# Altium PCB Fastino-DIOT.PCBDOC (part 5 of 22) (continued)
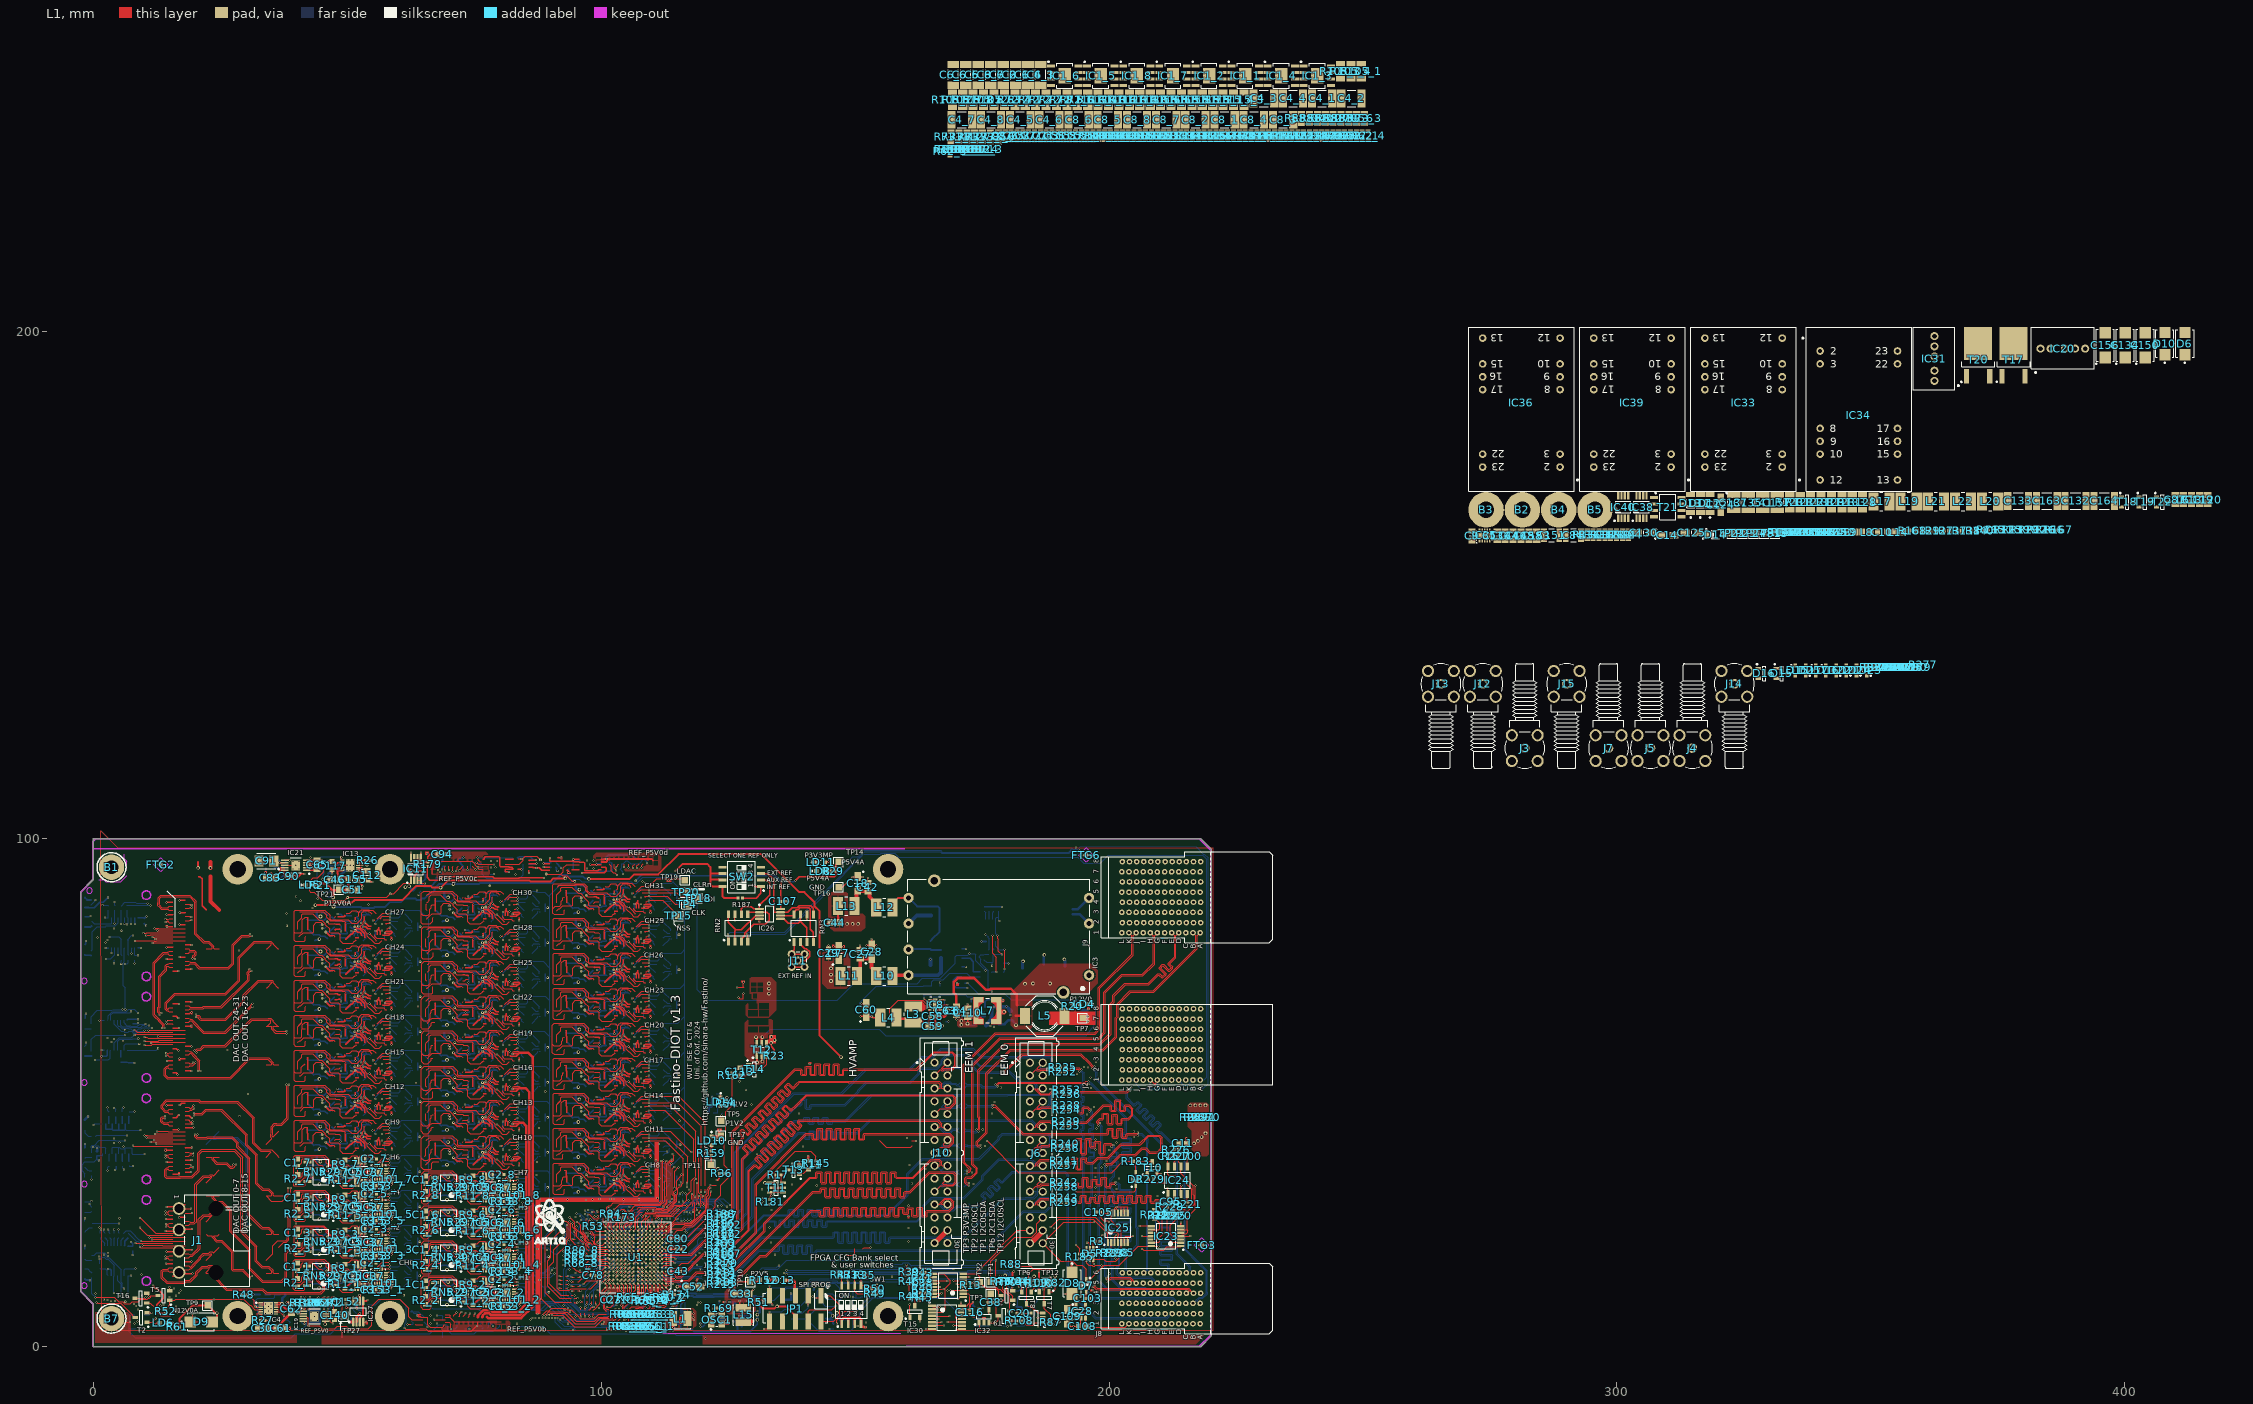
[diagram p0: L1 view]
## Nets (pads, with @x,y where several pads share a name; then routed paths per layer and width w, separated by ;. In a path a pad name is that pad's centre, name@x,y a point inside that pad or via, vN(x,y) a via of type N, cw(c..) or ccw(c..) an arc to the next point about the centre after c; other vN are vias at no path point) (continued)
DAC_CLK3: C66_3.1 IC37_3.8 R65_3.2 | length 82
  L1 w0.127: IC37_3.8@57.586,21.273 57.631,21.318 58.192,21.318 58.274,21.4 v1(58.348,21.4) ; IC37_3.8@57.659,21.285 IC37_3.8@57.692,21.252 ; v1(110.566,5.512) 110.579,5.524 110.579,5.958 110.568,5.969 R65_3.2@110.566,5.969
  L6 w0.127: v1@58.344,21.412 58.344,21.361 59.995,19.71 59.995,12.222 57.563,9.79 57.493,9.79 55.601,7.898 55.601,4.623 57.76,2.464 110.109,2.464 110.53,2.885 110.53,4.117 110.566,4.153 v1(110.566,5.512)
  L5 w0.127: v1@58.297,21.374 v1@58.373,21.374
  L8 w0.127: 58.906,20.841 v1(58.348,21.4) 58.353,21.4 59.583,20.17 C66_3.1@59.66,20.17
DAC_CLK4: C66_4.1 IC37_4.8 R65_4.2 | length 34.5
  L1 w0.127: IC37_4.8@82.737,18.2 82.782,18.245 v1@83.343,18.245 ; IC37_4.8@82.81,18.212 IC37_4.8@82.843,18.179 ; R65_4.2@110.025,8.65 110.087,8.589 110.087,8.4 110.165,8.322 v1(110.165,8.248)
  L5 w0.127: v1(90.272,15.113) 93.063,15.113 93.49,15.54 93.937,15.54 94.584,14.894 95.158,14.894 97.692,12.36 97.692,11.941 100.479,9.153 102.572,9.153 102.8,8.925 104,8.925 104.428,8.497 105.62,8.497 106.414,9.291 109.122,9.291 v1(110.165,8.248)
  L8 w0.127: v1(83.499,18.327) 83.504,18.327 84.734,17.097 C66_4.1@84.811,17.097 ; C66_4.1@84.887,17.094 84.887,16.895 85.513,16.268 85.534,16.268 85.726,16.077 87.124,16.077 87.249,15.951 ; 87.254,15.921 87.254,14.698 87.529,14.422 88.848,14.422 89.538,15.113 v1(90.272,15.113)
DAC_CLK5: C66_5.1 IC37_5.8 R65_5.2 | length 74.7
  L1 w0.127: IC37_5.8@57.586,28.159 57.631,28.204 v1@58.192,28.204 ; IC37_5.8@57.659,28.171 IC37_5.8@57.692,28.138 ; R65_5.2@106.426,3.581 106.44,3.581 106.451,3.57 v1(106.451,3.099)
  L3 w0.127: v1(89.662,5.639) 90.357,4.944 95.831,4.944 96.13,5.242 101.546,5.242 102.592,4.196 105.354,4.196 v1(106.451,3.099)
  L5 w0.127: v1@58.297,28.261 v1@58.344,28.261 ; v1@58.344,28.194 58.384,28.234 58.474,28.234 58.514,28.194 58.522,28.194 59.969,26.746 59.969,17.399 62.89,14.478 62.89,4.902 63.548,4.245 66.088,4.245 66.243,4.089 72.39,4.089 73,4.699 79.146,4.699 79.74,4.105 88.142,4.105 89.662,5.625 v1(89.662,5.639)
  L8 w0.127: v1(58.348,28.286) 58.353,28.286 59.583,27.057 C66_5.1@59.66,27.057
DAC_CLK6: C66_6.1 IC37_6.8 R65_6.2 | length 39.2
  L1 w0.127: IC37_6.8@82.737,25.087 82.782,25.132 v1@83.343,25.132 ; IC37_6.8@82.81,25.099 IC37_6.8@82.843,25.066 ; v1(106.1,8.425) 106.425,8.75 R65_6.2@106.425,9.4
  L6 w0.127: v1(89.575,20.475) 89.575,20 91.125,18.45 91.125,17.223 92.15,16.198 92.15,15.9 92.499,15.551 92.752,15.551 93.544,14.759 94.066,14.759 94.984,13.841 94.984,13.277 96.301,11.96 96.301,10.741 96.053,10.493 96.053,9.274 96.344,8.983 96.344,7.625 96.968,7.001 104.101,7.001 105.525,8.425 v1(106.1,8.425)
  L5 w0.127: v1@83.448,25.188 83.524,25.188 v1(83.499,25.214) v1@83.473,25.214
  L8 w0.127: v1(83.499,25.214) 83.504,25.214 C66_6.1@84.734,23.984 ; C66_6.1@84.785,23.908 84.785,23.883 85.714,22.954 87.104,22.954 ; 87.129,22.954 87.254,22.829 87.254,21.581 88.101,20.735 88.862,20.735 89.17,21.043 89.17,21.092 89.478,21.4 89.802,21.4 90.031,21.172 90.031,20.848 89.802,20.619 89.793,20.619 89.649,20.475 v1(89.575,20.475)
DAC_CLK7: C66_7.1 IC37_7.8 R65_7.2 | length 80.1
  L1 w0.127: IC37_7.8@57.586,35.046 57.631,35.091 58.192,35.091 58.274,35.173 v1(58.348,35.173) ; IC37_7.8@57.659,35.058 IC37_7.8@57.692,35.025 ; v1(106.731,5.512) 106.769,5.55 106.769,6.032 R65_7.2@106.782,6.045
  L2 w0.127: v1(86.499,5.653) 86.492,5.646 86.492,5.201 86.436,5.145 86.436,3.734 87.325,2.845 94.412,2.845 95.25,2.007 106.604,2.007 106.874,2.277 106.874,3.286 106.943,3.356 106.943,4.912 106.734,5.121 106.734,5.509 v1(106.731,5.512)
  L6 w0.127: v1@58.395,35.128 58.395,35.126 59.233,34.288 59.233,33.604 61.824,31.013 61.824,22.479 65.202,19.101 65.202,15.443 66.675,13.97 70.637,13.97 72.161,12.446 72.161,9.728 74.27,7.62 75.743,7.62 76.378,6.985 78.865,6.985 79.576,6.274 85.867,6.274 86.487,5.653 v1(86.499,5.653)
  L5 w0.127: v1@58.297,35.148 v1@58.373,35.148
  L8 w0.127: 58.906,34.614 v1(58.348,35.173) 58.353,35.173 59.583,33.943 C66_7.1@59.66,33.943
DAC_CLK8: C66_8.1 IC37_8.8 R65_8.2 | length 23.4
  L1 w0.127: IC37_8.8@82.737,31.973 82.782,32.018 v1@83.343,32.018 ; IC37_8.8@82.81,31.985 IC37_8.8@82.843,31.952 ; v1(95.181,17.374) 95.206,17.348 95.783,17.348 R65_8.2@95.809,17.323
  L6 w0.127: v1@83.515,32.08 83.515,32.055 86.03,29.54 86.03,27.965 86.055,27.94 86.055,25.695 90.825,20.925 91.025,20.925 92.999,18.951 92.999,18.717 94.307,17.408 95.146,17.408 v1(95.181,17.374)
  L5 w0.127: v1@83.448,32.075 83.524,32.075 v1(83.499,32.1) v1@83.473,32.1
  L8 w0.127: v1(83.499,32.1) 83.504,32.1 84.734,30.871 C66_8.1@84.811,30.871
DAC_CLK32: TP4.1 | length 76
  L1 w0.127: 108.612,88.592 108.657,88.637 v1@109.218,88.637 ; 108.685,88.604 108.718,88.571 ; v1@109.296,88.798 109.375,88.719 112.982,88.719 114.554,87.147 TP4.1@116.84,87.147 ; 118.463,29.108 118.473,29.118 118.473,29.519 v1(118.481,29.526)
  L6 w0.127: v1@109.474,88.671 111.1,88.671 112.573,87.198 112.573,85.014 117.297,80.289 117.297,43.18 119.71,40.767 119.71,31.91 118.65,30.85 118.65,29.696 v1(118.481,29.526)
  L8 w0.127: v1(109.374,88.719) 109.379,88.719 110.609,87.49 110.686,87.49
DAC_LDACn1: C89_1.1 IC37_1.11 R80_1.2 | length 67.8
  L1 w0.127: IC37_1.11@55.829,15.522 56.893,16.586 v1(58.293,16.586) ; v1(108.458,3.175) 108.458,3.581
  L5 w0.127: v1@58.344,16.637 58.344,16.535 60.985,13.894 60.985,10.897 60.722,10.633 60.722,9.947 61.265,9.405 61.265,4.185 60.891,3.811 60.891,3.488 61.671,2.708 88.129,2.708 89.048,3.628 94.211,3.628 94.241,3.658 95.021,3.658 95.088,3.591 100.182,3.591 100.316,3.725 107.908,3.725 v1(108.458,3.175)
  L8 w0.127: v1(58.293,16.586) 59.417,16.586 C89_1.1@59.453,16.55
DAC_LDACn2: C89_2.1 IC37_2.11 R80_2.2 | length 38.5
  L1 w0.127: IC37_2.11@81.035,12.282 82.099,13.345 v1(83.499,13.345) ; v1(111.354,7.722) 112.472,7.722 113.475,8.725 R80_2.2@113.475,9.45
  L5 w0.127: v1@83.549,13.295 v1@83.549,13.32 ; v1@90.907,14.427 90.932,14.402 91.764,14.402 92.604,13.561 92.604,13.422 93.393,12.633 93.748,12.633 94.079,12.303 94.841,12.303 95.647,11.497 96.371,11.497 97.698,10.169 97.698,9.903 98.905,8.696 99.325,8.696 100.821,7.2 101.887,7.2 102.475,7.788 103.21,7.788 103.229,7.807 103.654,7.807 103.8,7.661 108.343,7.661 108.573,7.89 109.113,7.89 109.282,7.722 v1(111.354,7.722)
  L8 w0.127: v1(83.499,13.345) 84.622,13.345 C89_2.1@84.658,13.31 ; C89_2.1@84.785,13.258 85.705,14.178 87.044,14.178 87.613,13.609 90.037,13.609 v1(90.83,14.402)
DAC_LDACn3: C89_3.1 IC37_3.11 R80_3.2 | length 69.3
  L1 w0.127: IC37_3.11@55.884,22.241 56.948,23.305 v1(58.348,23.305) ; v1(108.382,5.791) 108.434,5.843 108.688,5.843 R80_3.2@108.941,6.096
  L6 w0.127: v1@58.344,23.317 58.344,23.309 v1(58.348,23.305) 61.54,20.112 ; 61.544,20.117 61.951,19.71 61.951,9.728 64.872,6.807 67.869,6.807 69.79,4.886 93.666,4.886 94.277,4.275 99.43,4.275 101.083,5.928 107.604,5.928 107.74,5.791 108.338,5.791 v1@108.36,5.769
  L8 w0.127: v1(58.348,23.305) 59.471,23.305 C89_3.1@59.507,23.269
DAC_LDACn4: C89_4.1 IC37_4.11 R80_4.2 | length 35.4
  L1 w0.127: IC37_4.11@81.035,19.168 82.099,20.232 v1(83.499,20.232)
  L5 w0.127: v1@83.549,20.181 v1@83.549,20.207 ; v1(90.907,20.371) 91.56,20.371 93.207,18.724 93.207,17.62 94.802,16.025 95.221,16.025 95.367,16.171 95.786,16.171 96.739,15.218 96.739,15.104 96.968,14.875 97.082,14.875 98.4,13.557 98.4,12.782 99,12.183 99.492,12.183 101.025,10.65 v1(101.025,10.25)
  L8 w0.127: v1(83.499,20.232) 84.622,20.232 C89_4.1@84.658,20.196 ; C89_4.1@84.785,20.145 85.705,21.064 87.044,21.064 88.024,20.085 90.62,20.085 v1(90.907,20.371) ; v1(101.025,10.25) 101.065,10.29 101.415,10.29 101.444,10.319 101.444,10.395 101.704,10.655 101.78,10.655 101.793,10.668 105.038,10.668 105.051,10.656 108.296,10.656 108.675,11.034 R80_4.2@108.675,11.4
DAC_LDACn5: C89_5.1 IC37_5.11 R80_5.2 | length 72.6
  L1 w0.127: IC37_5.11@55.884,29.128 56.948,30.191 v1(58.348,30.191) ; R80_5.2@104.673,3.556 104.673,3.401 104.902,3.173 v1(104.902,3.099)
  L3 w0.127: v1(88.392,5.613) 91.147,2.858 104.59,2.858 104.831,3.099 v1(104.902,3.099)
  L5 w0.127: v1@58.395,30.175 58.395,30.15 61.544,27 61.544,18.491 64.77,15.265 64.77,7.163 66.227,5.706 70.751,5.706 70.763,5.717 73.048,5.717 73.05,5.715 76.835,5.715 77.174,6.054 87.27,6.054 87.288,6.036 87.612,6.036 87.63,6.054 87.933,6.054 88.373,5.613 v1(88.392,5.613)
  L8 w0.127: v1(58.348,30.191) 59.471,30.191 C89_5.1@59.507,30.156
DAC_LDACn6: C89_6.1 IC37_6.11 R80_6.2 | length 49.4
  L1 w0.127: IC37_6.11@81.035,26.055 82.099,27.119 v1(83.499,27.119) ; v1(88.925,26) 88.31,25.384 88.31,9.34 v1(89.9,7.75)
  L5 w0.127: v1@83.549,27.068 v1@83.549,27.093
  L8 w0.127: v1(83.499,27.119) 84.622,27.119 C89_6.1@84.658,27.083 ; C89_6.1@84.785,27.032 85.705,27.951 87.044,27.951 88.925,26.07 v1(88.925,26) ; v1(89.9,7.75) 91.545,6.105 92.43,6.105 93.059,5.477 100.139,5.477 100.59,5.928 107.605,5.928 108.177,6.5 R80_6.2@109.325,6.5
DAC_LDACn7: C89_7.1 IC37_7.11 R80_7.2 | length 74.7
  L1 w0.127: IC37_7.11@55.884,36.014 56.948,37.078 v1(58.348,37.078) ; v1(105.004,5.512) 105.016,5.524 105.016,6.134 R80_7.2@105.029,6.147
  L2 w0.127: v1(87.732,5.613) 88.459,4.886 95.839,4.886 96.225,4.5 96.75,4.5 97.2,4.05 98.825,4.05 100.116,2.759 103.743,2.759 105.004,4.02 v1(105.004,5.512)
  L6 w0.127: v1(58.348,37.078) 65.913,29.512 65.913,27.051 67.348,25.616 67.348,22.06 68.555,20.853 70.383,20.853 72.111,19.126 72.111,16.027 75.564,12.574 75.564,9.704 76.759,8.509 80.316,8.509 81.129,7.696 83.725,7.696 83.759,7.662 84.083,7.662 84.117,7.696 85.649,7.696 87.06,6.285 87.06,6.264 87.288,6.036 87.309,6.036 v1(87.732,5.613)
  L8 w0.127: v1(58.348,37.078) 59.471,37.078 C89_7.1@59.507,37.042
DAC_LDACn8: C89_8.1 IC37_8.11 R80_8.2 | length 26.5
  L1 w0.127: IC37_8.11@81.035,32.941 82.099,34.005 v1(83.499,34.005) ; v1@95.052,19.101 v1(95.027,19.075) 95.1,19.075 95.201,18.975 R80_8.2@95.85,18.975 ; R80_8.2@95.8,18.95 R80_8.2@95.826,18.975
  L6 w0.127: v1(83.499,34.005) 84.638,34.005 86.563,32.08 86.563,30.861 87.071,30.353 87.071,29.547 87.535,29.084 87.535,27.943 87.939,27.539 87.939,26.111 89.125,24.925 89.125,23.923 89.764,23.283 89.97,23.283 91.278,21.975 92.048,21.975 92.438,21.585 93.295,21.585 94.265,20.614 94.265,19.836 v1(95.027,19.075)
  L8 w0.127: v1(83.499,34.005) 84.622,34.005 C89_8.1@84.658,33.969
DAC_LDACn32: TP19.1 | length 83.1
  L1 w0.127: 106.91,89.56 107.974,90.624 v1(109.374,90.624) 110.885,92.135 116.17,92.135 TP19.1@116.459,91.846 ; 119.964,29.224 120.029,29.289 120.029,29.574 v1(120.081,29.626)
  L6 w0.127: v1(109.374,90.624) 116.995,90.624 118.669,88.951 118.669,50.546 118.669,45.263 121.056,42.875 121.056,31.85 120.081,30.875 v1(120.081,29.626)
  L5 w0.127: v1@109.424,90.574 v1@109.424,90.599
  L8 w0.127: v1(109.374,90.624) 110.497,90.624 110.533,90.588
DAC_MOSI1: C68_1.1 IC37_1.9 R69_1.2 | length 74.3
  L1 w0.127: IC37_1.9@56.972,15.342 v1(58.293,15.342) ; v1(109.271,3.15) 109.283,3.162 109.283,3.651 R69_1.2@109.271,3.663
  L5 w0.127: v1@58.318,15.316 v1@58.318,15.367 ; v1@58.369,15.342 58.369,15.265 60.147,13.487 60.147,11.328 58.776,9.957 56.693,9.957 55.778,9.042 55.778,3.2 56.871,2.108 109.068,2.108 109.271,2.311 v1(109.271,3.15)
  L8 w0.127: v1(58.293,15.342) 58.583,15.052 C68_1.1@59.808,15.052
DAC_MOSI2: C68_2.1 IC37_2.9 R69_2.2 | length 41.7
  L1 w0.127: IC37_2.9@82.178,12.101 v1(83.499,12.101)
  L5 w0.127: v1@83.524,12.075 v1@83.524,12.126 ; v1(93.497,7.62) 93.463,7.585 93.463,6.537 94.777,5.223 100.378,5.223 100.83,5.675 103.525,5.675 104.286,6.436 111.062,6.436 112.171,7.544 112.171,8.762 111.85,9.083 v1(111.85,10.125)
  L8 w0.127: v1(83.499,12.101) 83.788,11.811 C68_2.1@85.014,11.811 ; C68_2.1@84.785,11.684 85.197,11.272 85.197,10.968 85.72,10.445 85.72,8.006 85.831,7.895 86.939,7.895 87.947,8.902 92.31,8.902 92.923,8.29 92.923,8.195 v1(93.497,7.62) ; R69_2.2@111.175,11.45 111.45,11.45 111.85,11.05 v1(111.85,10.125)
DAC_MOSI3: C68_3.1 IC37_3.9 R69_3.2 | length 72.4
  L1 w0.127: IC37_3.9@57.027,22.06 v1(58.348,22.06) ; v1(109.728,5.588) 109.728,6.02 R69_3.2@109.753,6.045
  L6 w0.127: v1@58.344,22.047 58.357,22.034 58.662,22.034 61.062,19.634 61.062,12.192 60.198,11.328 60.198,9.881 61.9,8.179 61.9,5.994 64.872,3.023 76.606,3.023 77.114,3.531 94.114,3.531 94.308,3.725 108.62,3.725 109.661,4.766 109.661,5.032 109.728,5.099 v1(109.728,5.588)
  L8 w0.127: v1(58.348,22.06) 58.637,21.77 C68_3.1@59.863,21.77
DAC_MOSI4: C68_4.1 IC37_4.9 R69_4.2 | length 35.7
  L1 w0.127: IC37_4.9@82.178,18.987 v1(83.499,18.987)
  L5 w0.127: v1@83.524,18.962 v1@83.524,19.013 ; v1(90.805,15.519) 92.576,15.519 93.007,15.95 94.15,15.95 94.71,15.39 95.638,15.39 ; 95.638,15.391 95.962,15.391 96.3,15.052 96.3,14.4 99.125,11.575 99.366,11.575 100.543,10.398 100.543,10.18 101.061,9.661 103.013,9.661 103.439,9.236 104.904,9.236 105.118,9.45 v1(105.65,9.45)
  L8 w0.127: v1(83.499,18.987) 83.788,18.698 C68_4.1@85.014,18.698 ; C68_4.1@84.785,18.571 84.785,18.546 85.49,17.841 85.49,16.651 85.618,16.522 85.639,16.522 85.831,16.331 87.229,16.331 87.508,16.051 87.508,14.803 87.635,14.676 88.743,14.676 89.586,15.519 v1(90.805,15.519) ; v1@105.609,9.45 v1(105.65,9.45) 106.075,9.875 108.3,9.875 109.2,10.775 R69_4.2@109.2,11.475
DAC_MOSI5: C68_5.1 IC37_5.9 R69_5.2 | length 72
  L1 w0.127: IC37_5.9@57.027,28.947 v1(58.348,28.947) ; R69_5.2@105.588,3.531 105.588,3.15 v1(105.639,3.099)
  L3 w0.127: v1(89.027,5.613) 90.535,4.105 98.984,4.105 99.178,3.912 99.457,3.591 100.907,3.591 100.956,3.639 101.279,3.639 101.328,3.591 101.796,3.591 101.845,3.639 102.168,3.639 102.217,3.591 102.66,3.591 102.708,3.639 103.032,3.639 103.08,3.591 103.422,3.591 103.47,3.639 103.794,3.639 103.842,3.591 105.147,3.591 v1(105.639,3.099)
  L5 w0.127: v1(58.348,28.947) 58.683,28.947 60.808,26.822 60.808,17.983 63.703,15.088 63.703,7.061 65.827,4.937 66.901,4.937 66.92,4.918 72.859,4.918 72.894,4.953 79.564,4.953 79.569,4.948 86.238,4.948 86.438,5.148 88.561,5.148 v1(89.027,5.613)
  L8 w0.127: v1(58.348,28.947) 58.637,28.657 C68_5.1@59.863,28.657
DAC_MOSI6: C68_6.1 IC37_6.9 R69_6.2 | length 22.8
  L1 w0.127: IC37_6.9@82.178,25.874 v1(83.499,25.874)
  L5 w0.127: v1@83.524,25.849 v1@83.524,25.899 ; v1(89.85,23.75) 89.894,23.706 89.894,23.36 90.752,22.502 92.626,22.502 93.527,21.6 v1(96.075,21.6)
  L8 w0.127: v1(83.499,25.874) 83.788,25.584 C68_6.1@85.014,25.584 ; C68_6.1@84.785,25.457 84.785,25.432 85.72,24.498 85.72,23.329 85.831,23.217 87.071,23.217 87.08,23.208 87.209,23.208 ; 87.234,23.208 87.508,22.935 87.508,21.686 87.635,21.56 88.743,21.56 89.773,22.591 v1@89.773,23.647 ; v1(96.075,21.6) 96.075,21.526 95.96,21.411 95.96,20.894 96.229,20.625 96.53,20.625 97.418,19.737 97.638,19.737 R69_6.2@97.7,19.675
DAC_MOSI7: C68_7.1 IC37_7.9 R69_7.2 | length 74.7
  L1 w0.127: IC37_7.9@57.027,35.833 v1(58.348,35.833) ; v1(105.918,5.537) R69_7.2@105.918,6.045
  L2 w0.127: v1@87.071,5.613 87.097,5.588 87.097,5.156 88.24,4.013 95.262,4.013 96.77,2.505 105.597,2.505 106.029,2.937 106.029,4.145 105.918,4.256 v1(105.918,5.537)
  L6 w0.127: v1(58.348,35.833) 63.703,30.478 63.703,26.187 66.04,23.851 66.04,20.041 69.85,16.231 70.104,16.231 72.72,13.614 72.72,13.056 74.248,11.528 74.248,8.835 74.651,8.433 75.971,8.433 76.683,7.722 79.578,7.722 80.315,6.985 85.725,6.985 v1(87.097,5.613)
  L8 w0.127: v1(58.348,35.833) 58.637,35.543 C68_7.1@59.863,35.543
DAC_MOSI8: C68_8.1 IC37_8.9 R69_8.2 | length 23.5
  L1 w0.127: IC37_8.9@82.178,32.761 v1(83.499,32.761) ; v1(95.109,18.212) 95.122,18.225 R69_8.2@95.822,18.225
  L6 w0.127: v1@83.541,32.719 86.875,29.384 86.875,25.55 93.74,18.685 93.945,18.685 94.174,18.456 94.802,18.456 95.046,18.212 v1(95.109,18.212)
  L8 w0.127: v1(83.499,32.761) 83.788,32.471 C68_8.1@85.014,32.471
DAC_MOSI32: TP18.1 | length 80.1
  L1 w0.127: 108.053,89.38 v1(109.374,89.38) ; v1@109.398,89.433 109.451,89.38 114.902,89.38 115.667,88.616 118.699,88.616 TP18.1@118.999,88.316 ; 119.202,29.123 119.242,29.162 119.242,29.587 v1(119.281,29.626)
  L6 w0.127: v1@109.446,89.38 112.804,89.38 117.983,84.201 117.983,44.145 120.193,41.935 120.193,31.718 119.281,30.806 v1(119.281,29.626)
  L8 w0.127: v1(109.374,89.38) 109.663,89.09 110.889,89.09
DAC_NSS1: C35_1.1 IC37_1.6 R66_1.2 | length 82.3
  L1 w0.127: IC37_1.6@57.683,13.589 57.924,13.589 v1@58.101,13.765 ; v1(110.921,3.215) 110.959,3.253 110.959,3.582 110.996,3.618 R66_1.2@110.998,3.618
  L5 w0.127: v1@58.268,13.894 58.293,13.868 v1(58.293,13.818) 58.293,12.167 57.734,11.608 55.22,11.608 52.121,8.509 51.41,8.509 50.724,7.823 50.724,6.096 51.562,5.258 51.562,2.591 53.442,0.711 110.439,0.711 110.998,1.27 110.998,2.761 110.934,2.824 110.934,3.201 v1(110.921,3.215)
  L8 w0.127: v1(58.293,13.818) 58.293,13.417 59.168,12.542 59.168,12.262 59.401,12.029 C35_1.1@59.427,12.029
DAC_NSS2: C35_2.1 IC37_2.6 R66_2.2 | length 38
  L1 w0.127: IC37_2.6@82.889,10.348 83.13,10.348 83.306,10.525 83.446,10.525 v1(83.499,10.577)
  L5 w0.127: v1@83.499,10.551 v1@83.524,10.577 ; v1(93.853,6.858) 94.36,6.351 95.996,6.351 96.005,6.359 100.775,6.359 101.105,6.69 110.874,6.69 111.744,7.56 111.744,7.883 109.727,9.9 v1(109.05,9.9)
  L8 w0.127: v1(83.499,10.577) 83.499,10.177 84.374,9.302 84.374,9.022 84.607,8.788 C35_2.1@84.633,8.788 ; C35_2.1@85.014,8.433 85.197,8.25 85.197,7.811 85.621,7.387 88.215,7.387 89.223,8.394 90.931,8.394 92.527,6.798 92.965,6.798 93.025,6.858 v1(93.853,6.858) ; v1(109.05,9.9) 109.925,10.775 R66_2.2@109.925,11.475
DAC_NSS3: C35_3.1 IC37_3.6 R66_3.2 | length 84.3
  L1 w0.127: IC37_3.6@57.738,20.308 57.979,20.308 58.155,20.484 58.295,20.484 v1(58.348,20.536) ; R66_3.2@111.328,6.075 111.328,6.041 111.39,5.98 111.653,5.98 v1(111.705,5.928)
  L6 w0.127: v1(58.348,20.536) 59.059,19.824 59.059,12.908 57.213,11.062 55.639,11.062 54.788,10.211 54.788,3.589 56.446,1.93 110.541,1.93 110.893,2.283 110.893,2.302 111.271,2.68 111.29,2.68 111.609,2.999 111.609,3.083 111.605,3.088 111.605,3.412 111.609,3.417 111.609,4.363 111.731,4.484 111.731,5.902 v1(111.705,5.928)
  L8 w0.127: v1(58.348,20.536) 58.348,20.136 59.223,19.261 59.223,18.981 59.456,18.748 C35_3.1@59.482,18.748
DAC_NSS4: C35_4.1 IC37_4.6 R66_4.2 | length 32.2
  L1 w0.127: IC37_4.6@82.889,17.235 83.13,17.235 83.306,17.411 83.446,17.411 v1(83.499,17.463) ; R66_4.2@109.23,8.889 R66_4.2@109.291,8.828 ; v1(109.28,8.275) R66_4.2@109.28,8.814
  L5 w0.127: v1@83.499,17.438 v1@83.524,17.463 ; v1(90.148,14.586) 90.2,14.638 90.515,14.638 90.669,14.792 93.558,14.792 94.269,14.081 94.345,14.081 95.626,12.8 95.626,12.635 96.859,11.402 97.303,11.402 98.536,10.169 98.536,9.928 99.311,9.153 99.725,9.153 100.528,8.35 102.178,8.35 102.397,8.569 103.997,8.569 104.532,8.035 106.262,8.035 106.822,8.595 107.402,8.595 107.487,8.51 108.067,8.51 108.148,8.591 108.965,8.591 v1(109.28,8.275)
  L8 w0.127: v1(83.499,17.463) 84.12,16.842 84.12,16.442 85.065,15.497 C35_4.1@86.131,15.497 ; C35_4.1@86.817,15.265 87,15.082 87,14.592 87.424,14.168 89.73,14.168 v1(90.148,14.586)
DAC_NSS5: C35_5.1 IC37_5.6 R66_5.2 | length 76.7
  L1 w0.127: IC37_5.6@57.738,27.194 57.979,27.194 58.155,27.371 58.295,27.371 v1(58.348,27.423) ; v1(107.264,3.124) 107.264,3.198 107.386,3.319 R66_5.2@107.386,3.693
  L3 w0.127: v1(90.297,5.613) 91.043,6.359 102.08,6.359 103.978,4.461 105.927,4.461 v1(107.264,3.124)
  L5 w0.127: v1@58.344,27.381 58.348,27.377 58.348,26.336 59.182,25.502 59.182,16.789 62.027,13.945 62.027,4.74 63.414,3.353 69.825,3.353 70.063,3.115 72.32,3.115 73.076,3.87 74.362,3.87 74.717,3.515 88.198,3.515 v1(90.297,5.613)
  L8 w0.127: v1(58.348,27.423) 58.348,27.023 59.223,26.148 59.223,25.868 59.456,25.634 C35_5.1@59.482,25.634
DAC_NSS6: C35_6.1 IC37_6.6 R66_6.2 | length 21
  L1 w0.127: IC37_6.6@82.889,24.121 83.13,24.121 83.306,24.298 83.446,24.298 v1(83.499,24.35)
  L6 w0.127: v1(89.64,21.01) 90.075,20.575 90.075,20.075 91.625,18.525 91.625,17.421 92.607,16.439 93.447,16.439 94.886,15 v1(95.8,15)
  L5 w0.127: v1@83.499,24.325 v1@83.524,24.35
  L8 w0.127: v1(83.499,24.35) 83.499,23.311 84.268,22.541 86.177,22.541 86.538,22.18 C35_6.1@86.538,22.149 ; C35_6.1@86.919,21.971 87,21.89 87,21.476 87.996,20.481 88.967,20.481 89.352,20.866 89.422,20.866 89.566,21.01 v1(89.64,21.01) ; v1(95.8,15) 95.874,15 95.999,14.875 97.625,14.875 97.875,15.125 R66_6.2@97.925,15.125
DAC_NSS7: C35_7.1 IC37_7.6 R66_7.2 | length 82.2
  L1 w0.127: IC37_7.6@57.738,34.081 57.979,34.081 58.155,34.257 58.295,34.257 v1(58.348,34.309) ; v1(107.518,5.461) 107.57,5.513 107.57,5.818 R66_7.2@107.696,5.944
  L2 w0.127: v1(86.077,5.338) 86.044,5.306 86.044,4.333 85.801,4.09 85.801,3.508 86.023,3.286 86.023,2.937 87.005,1.956 93.777,1.956 94.183,1.549 107.714,1.549 107.788,1.624 107.788,5.179 107.518,5.449 v1(107.518,5.461)
  L6 w0.127: v1(58.348,34.309) 58.395,34.262 58.395,33.376 60.401,31.369 60.401,22.657 63.17,19.888 63.17,12.319 67.869,7.62 68.707,7.62 70.714,5.613 85.462,5.613 85.525,5.55 85.59,5.55 85.75,5.39 86.024,5.39 v1(86.077,5.338)
  L8 w0.127: v1(58.348,34.309) 58.348,33.909 59.223,33.034 59.223,32.754 59.456,32.521 C35_7.1@59.482,32.521
DAC_NSS8: C35_8.1 IC37_8.6 R66_8.2 | length 24.5
  L1 w0.127: IC37_8.6@82.889,31.008 83.13,31.008 v1@83.306,31.184 ; v1(95.047,16.415) 95.05,16.412 95.805,16.412 R66_8.2@95.809,16.408
  L6 w0.127: v1(83.499,31.237) 83.499,30.878 85.166,29.21 85.166,25.284 87.7,22.75 88.452,22.75 90.516,20.686 90.516,20.209 92.1,18.625 92.1,17.787 92.375,17.512 92.733,17.512 93.83,16.415 v1(95.047,16.415)
  L8 w0.127: v1(83.499,31.237) 83.499,30.837 84.374,29.961 84.374,29.681 84.607,29.448 C35_8.1@84.633,29.448
DAC_NSS32: TP15.1 | length 72.8
  L1 w0.127: 108.764,87.627 109.005,87.627 v1@109.181,87.804 ; v1(109.374,87.856) 112.144,87.856 114.884,85.115 TP15.1@114.91,85.115 ; 117.78,29.048 117.78,29.877 117.906,30.003 v1@117.906,30.043
  L6 w0.127: v1@109.396,87.833 111.15,86.079 111.15,83.693 116.586,78.257 116.586,42.443 118.86,40.17 118.86,37.79 119.215,37.434 119.215,32.013 118.125,30.923 118.125,30.296 117.978,30.149 117.978,30.078 v1@117.98,30.076
  L8 w0.127: v1(109.374,87.856) 109.374,87.456 110.249,86.581 110.249,86.301 110.482,86.067 110.508,86.067
  other v1: 117.889,30.06
DAC_OUT_N1: R67_1.2 R73_1.1 | length 47.9
  L1 w0.152: 15.6,15.5 14.928,15.5 14.776,15.348 14.776,15.342 14.687,15.252 13.742,15.252 13.386,14.896 13.386,13.488 14.428,12.446 17.971,12.446 18.259,12.734 19.135,12.734 20.447,14.046 20.447,14.478 21.514,15.545 22.678,15.545 22.856,15.723 23.2,15.723 23.289,15.633 23.289,15.507 23.2,15.418 22.982,15.418 22.23,14.666 22.23,14.466 22.462,14.466 23.258,14.466 23.348,14.377 23.348,13.932 26.157,11.122 33.226,11.122 33.781,10.567 33.96,10.389 44.83,10.389 45.517,11.076 45.517,11.879 44.298,13.098 44.298,13.648 44.479,13.83 44.699,13.83 44.864,13.665 v2(44.958,13.665)
  L8 w0.152: v2(44.958,13.665) v2@45.009,13.665 ; v2@45.06,13.665 45.493,13.665 R67_1.2@45.788,13.96
DAC_OUT_N2: R67_2.2 R73_2.1 | length 70.6
  L1 w0.152: 18.11,15.9 18.782,15.9 18.934,15.748 18.934,15.742 19.023,15.652 19.158,15.652 19.789,16.283 19.789,16.36 20.847,17.418 20.847,17.579 21.657,18.39 22.751,18.39 22.987,18.626 23.366,18.626 23.545,18.447 23.671,18.447 24.77,19.546
  L2 w0.152: 24.77,19.546 23.671,18.447 23.671,18.321 23.76,18.232 24.075,18.232 24.207,18.364 25.476,18.364 25.908,17.932 27.089,16.751 27.089,13.399 30.759,9.728 38.964,9.728 40.132,10.897 48.109,10.897 48.881,10.125 51.081,10.125 52.901,8.305 55.194,8.305 57.164,10.275 58.508,10.275 59.224,10.991 68.358,10.991 70.205,9.144 71.399,9.144 71.489,9.233 71.489,9.969 70.868,10.59 70.423,10.59 70.258,10.424 v2(70.164,10.424)
  L8 w0.152: v2(70.164,10.424) v2@70.214,10.424 ; v2@70.214,10.374 70.265,10.424 70.699,10.424 R67_2.2@70.993,10.719
DAC_OUT_N3: R67_3.2 R73_3.1 | length 57.7
  L1 w0.152: v1(14.199,17.763) 14.266,17.763 14.377,17.652 14.687,17.652 14.776,17.742 14.776,17.748 14.928,17.9 15.6,17.9 ; 22.23,22.086 22.479,21.837 23.258,21.837 23.348,21.748 23.348,21.496 24.175,20.668 25.137,20.668 27.259,18.546 27.259,15.114 27.438,14.935 29.332,14.935 v1(30.81,13.457)
  L2 w0.152: v1(14.199,17.763) 14.266,17.763 14.377,17.652 16.944,17.652 20.196,20.904 22.573,20.904 23.348,21.678 23.348,21.997 23.258,22.086 22.23,22.086 ; v2(45.013,20.384) v2@45.107,20.384
  L5 w0.152: v1(30.81,13.457) 30.827,13.44 31.015,13.44 32.695,11.76 39.318,11.76 40.69,13.132 43.917,13.132 45.009,12.04 46.862,12.04 47.552,12.73 47.552,17.178 44.825,19.905 44.814,19.905 44.445,20.275 44.445,20.46 44.534,20.549 44.753,20.549 44.918,20.384 v2(45.013,20.384)
  L8 w0.152: v2(45.013,20.384) v2@45.063,20.384 ; v2@45.063,20.333 45.114,20.384 45.548,20.384 R67_3.2@45.842,20.678
DAC_OUT_N4: R67_4.2 R73_4.1 | length 84.3
  L1 w0.152: 18.11,18.3 18.782,18.3 18.934,18.148 18.934,18.142 19.023,18.052 19.348,18.052 20.683,19.387 20.683,25.036 21.657,26.01 22.751,26.01 22.987,26.246 23.366,26.246 23.545,26.067 23.671,26.067 24.77,27.166
  L2 w0.152: 24.77,27.166 23.671,26.067 23.671,25.941 23.76,25.852 23.886,25.852 24.07,26.035 25.282,26.035 25.382,25.934 26.187,25.129 26.187,20.879 26.543,20.523 26.916,20.15 27.542,19.524 27.542,18.279 27.952,17.869 28.575,17.246 28.575,14.021 31.648,10.947 38.279,10.947 39.447,12.116 40.31,12.116 41.024,12.83 45.026,12.83 45.606,12.25 47.379,12.25 47.825,11.804 50.882,11.804 51.387,11.3 57.2,11.3 58.405,12.505 60.765,12.505 63.602,15.342 66.459,15.342 67.805,13.995 70.993,13.995 71.934,14.936 71.934,16.611 71.068,17.476 70.423,17.476 70.258,17.311 v2(70.164,17.311)
  L8 w0.152: v2(70.164,17.311) v2@70.214,17.311 ; v2@70.214,17.26 70.265,17.311 70.699,17.311 R67_4.2@70.993,17.605
DAC_OUT_N5: R67_5.2 R73_5.1 | length 60.9
  L1 w0.152: v1(14.275,24.163) 14.342,24.163 14.453,24.052 14.703,24.052 14.776,24.125 14.776,24.148 14.928,24.3 15.6,24.3 ; 22.23,29.706 23.258,29.706 23.348,29.617 23.348,29.172 24.197,28.323 25.271,28.323 26.023,27.571 26.873,26.721 26.873,22.702 30.592,18.983 30.592,15.29 33.233,12.649 37.134,12.649 38.1,13.615 38.1,18.394 38.835,19.13 38.992,19.13 v1(39.04,19.177)
  L2 w0.152: v1(14.275,24.163) 14.342,24.163 14.453,24.052 17.717,24.052 19.808,26.144 19.808,26.664 21.667,28.524 22.573,28.524 23.348,29.298 23.348,29.617 23.258,29.706 22.23,29.706 ; v2(45.013,27.27) v2@45.107,27.27
  L5 w0.152: v1(39.04,19.177) 39.087,19.224 39.087,19.381 41.377,21.671 41.377,24.282 44.53,27.435 44.753,27.435 44.918,27.27 v2(45.013,27.27)
  L8 w0.152: v2(45.013,27.27) v2@45.063,27.27 ; v2@45.063,27.22 45.114,27.27 45.548,27.27 R67_5.2@45.842,27.565
DAC_OUT_N6: R67_6.2 R73_6.1 | length 91.5
  L1 w0.152: 18.11,24.7 18.782,24.7 18.934,24.548 18.934,24.542 19.023,24.452 19.761,24.452 19.99,24.681 19.99,31.962 21.657,33.63 22.751,33.63 22.987,33.866 23.366,33.866 23.545,33.687 23.671,33.687 24.77,34.786
  L2 w0.152: 24.77,34.786 23.671,33.687 23.671,33.561 23.76,33.472 24.075,33.472 24.207,33.604 25.332,33.604 26.128,32.809 26.128,32.698 26.391,32.436 26.543,32.283 26.543,30.937 27.19,30.29 27.19,21.755 31.916,17.029 31.916,13.931 33.643,12.204 37.406,12.204 38.766,13.565 39.345,13.565 43.027,17.247 54.866,17.247 55.582,17.963 58.212,17.963 58.465,17.71 58.836,17.71 62.548,21.421 67.328,21.421 67.769,20.98 71.552,20.98 71.908,21.337 71.908,23.266 70.811,24.363 70.423,24.363 70.258,24.198 v2(70.164,24.198)
  L8 w0.152: v2(70.164,24.198) v2@70.214,24.198 ; v2@70.265,24.198 70.699,24.198 R67_6.2@70.993,24.492
DAC_OUT_N7: R67_7.2 R73_7.1 | length 62.7
  L1 w0.127: 27.849,35.424 27.849,35.5 28.086,35.737 v1(28.086,35.811)
  L1 w0.152: 14.402,26.452 14.687,26.452 14.776,26.542 14.776,26.548 14.928,26.7 15.6,26.7 ; 22.23,37.326 23.258,37.326 23.348,37.237 23.348,36.792 24.226,35.914 26.107,35.914 26.906,35.114 27.391,35.114 27.495,35.219 27.643,35.219 27.849,35.424
  L5 w0.127: v1(28.086,35.811) 28.086,35.737 27.962,35.614 27.962,28.807 33.223,23.546 37.516,23.546 42.672,28.702 42.672,29.848 43.711,30.886 45.339,30.886 46.823,32.371 46.823,33.364 45.853,34.335 45.273,34.335 45.096,34.157 v2(45.013,34.157)
  L5 w0.152: v1(14.224,26.563) 14.291,26.563 14.402,26.452 16.089,26.452 19.683,30.047 19.683,34.16 21.771,36.248 22.677,36.248 23.348,36.918 23.348,37.237 23.258,37.326 22.23,37.326
  L8 w0.152: v2(45.013,34.157) v2@45.063,34.157 ; v2@45.114,34.157 45.548,34.157 R67_7.2@45.842,34.451